# KiCad board boatcontrol.kicad_pcb (continued)
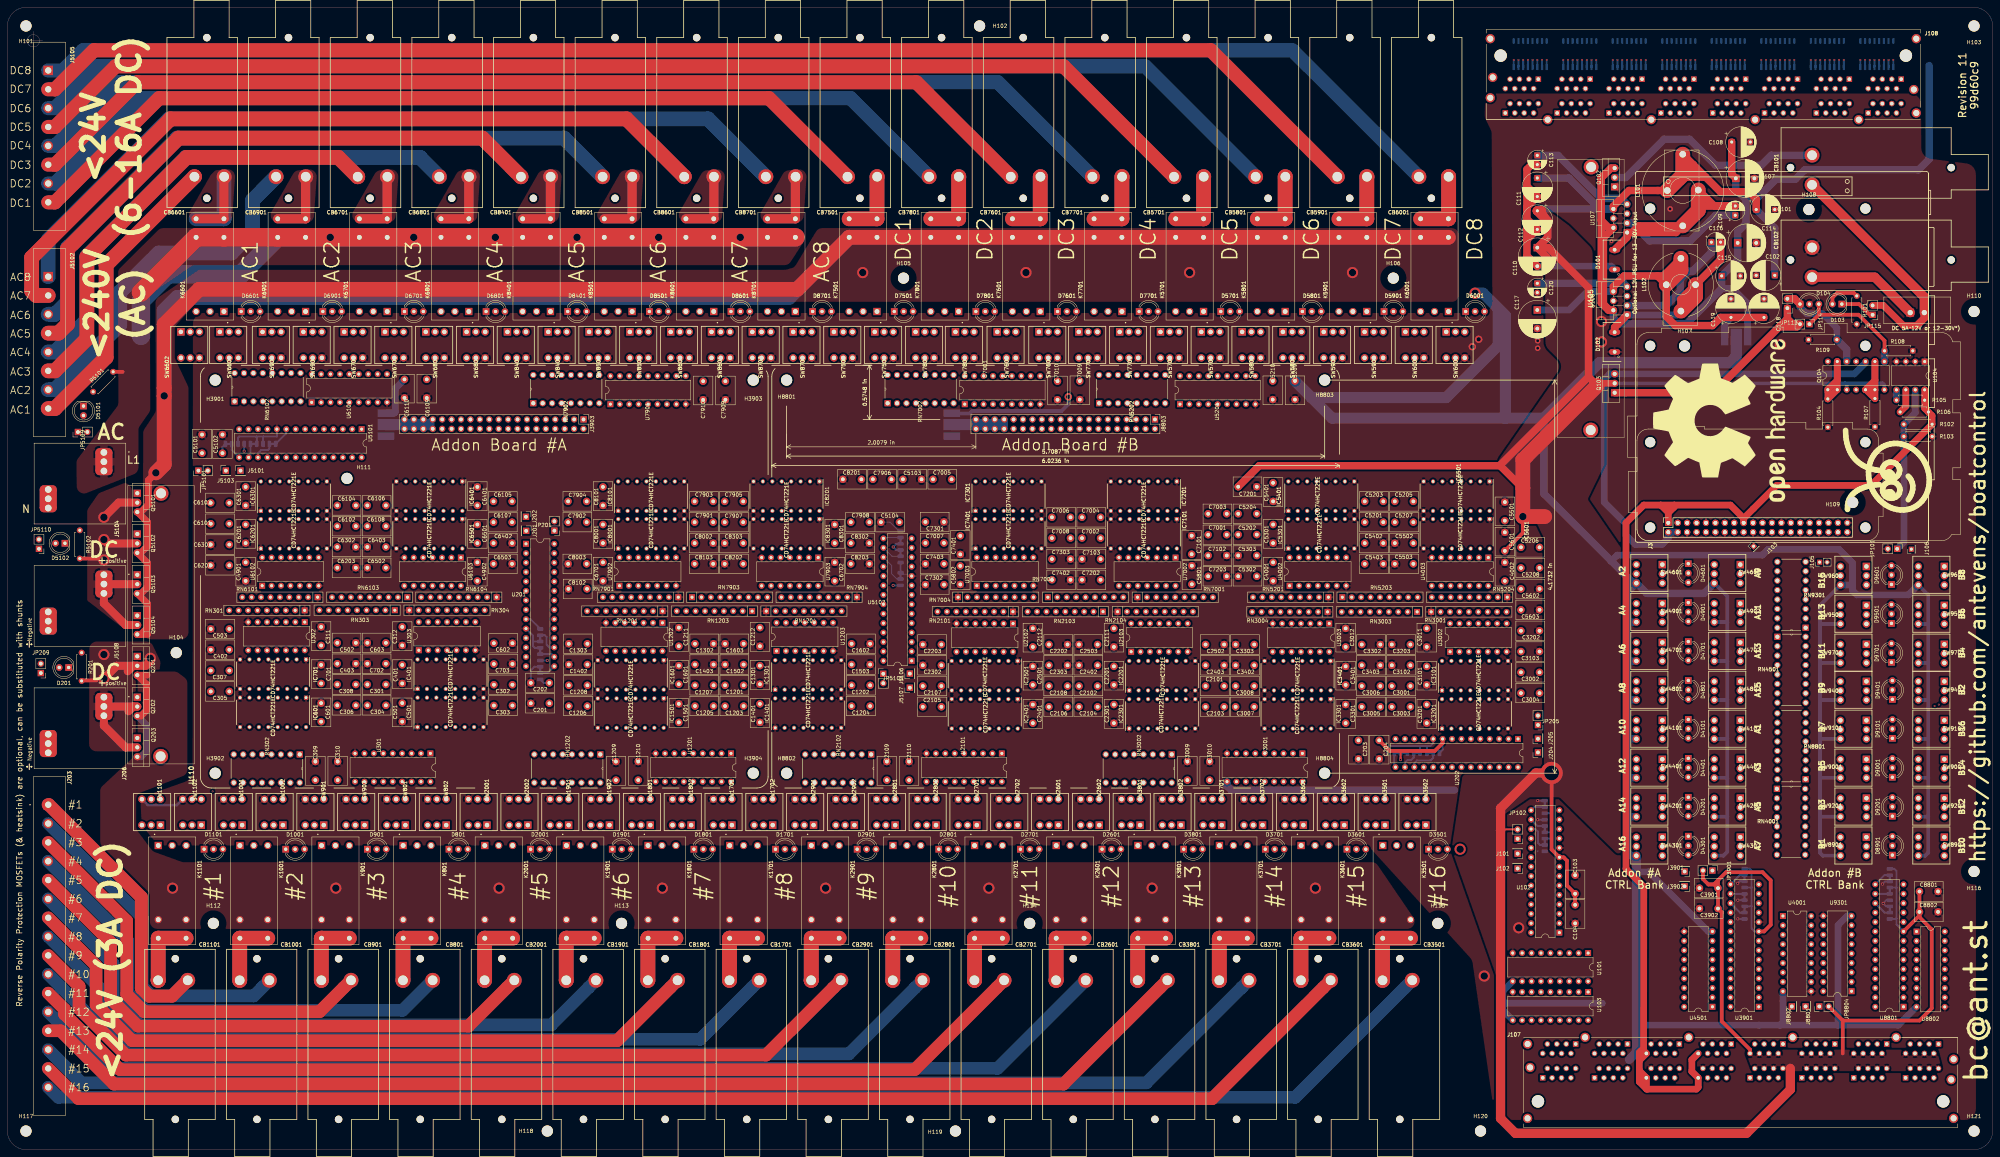
[diagram p0: board, top side]
## Routing (per net, layer and track width the routed paths; a pad name or vN(x,y) marks a point on that pad's centre or on a via; arc(x,y) is an arc through that point) (continued)
/Add-On Relay Board 2/MixedBlock1/OFF_SIGNAL_4: length 336.1
  In1.Cu w0.25: v4(315.5,198.3) 315.25,198.05 315.25,193.63 311.26,189.63 275.85,189.63 271.12,194.36
  In2.Cu w0.25: v4(315.5,198.3) 315.67,198.13 421.62,198.13 423.9,200.41 480.57,200.41 495.98,185 507.88,185 525.38,167.5 525.38,115.21 523.41,113.25 SW9102.2
  In2.Cu w1.8: J8803.31 J8803.32
/Add-On Relay Board 2/MixedBlock1/ON_SIGNAL_1: length 347.6
  In1.Cu w0.25: v8(520.5,120) 521.22,119.28 521.86,119.28 523.88,117.26 523.88,89.59 521.56,87.28 497.28,87.28 495.8,85.8 v4(495.8,82.4)
  In1.Cu w1.8: J8803.1 309.26,194.41
  In2.Cu w0.25: v8(520.5,120) 520.5,168.84 506.84,182.5 494.94,182.5 479.54,197.91 424.94,197.91 422.66,195.63 311.64,195.63 310.36,196.9 J8803.1 ; SW8901.2 500,80.75 497.45,80.75 v4(495.8,82.4)
/Add-On Relay Board 2/MixedBlock1/ON_SIGNAL_2: length 343
  In1.Cu w0.25: v4(496,96) 497.78,97.78 515.39,97.78 516.96,96.2 521.7,96.2 523.38,97.88 523.38,117.05 521.65,118.78 520.22,118.78 v8(519.38,119.62)
  In1.Cu w2: J8803.5 J8803.6
  In2.Cu w0.25: 520,121.6 520,121.3 ; 520,121.6 520,120.6 519.38,119.98 v8(519.38,119.62) ; 520,121.6 520,168.64 506.64,182 494.74,182 479.33,197.41 425.14,197.41 422.86,195.13 310.31,195.13 309.76,195.67 305.41,195.67 J8803.5 ; v4(496,96) 496,93.96 497.71,92.25 SW9201.2
/Add-On Relay Board 2/MixedBlock1/ON_SIGNAL_3: length 323.9
  In1.Cu w0.25: v4(496,107) 497.28,108.28 507.85,108.28 510.5,110.92 v4(510.5,112)
  In1.Cu w2: J8803.9 J8803.10
  In2.Cu w0.25: SW9001.2 497.71,102.75 496,104.46 v4(496,107) ; J8803.10 300.33,193.13 309.85,193.13 311.34,194.63 423.07,194.63 425.35,196.91 479.12,196.91 494.53,181.5 506.43,181.5 519.5,168.43 519.5,122.29 516.08,118.87 513.5,118.87 510.5,115.87 v4(510.5,112)
/Add-On Relay Board 2/MixedBlock1/ON_SIGNAL_4: length 310.7
  In1.Cu w2: J8803.13 J8803.14
  In2.Cu w0.25: 295.25,193.13 J8803.14 295.75,192.63 310.06,192.63 311.55,194.13 423.28,194.13 425.56,196.41 478.91,196.41 494.32,181 506.22,181 519,168.22 519,122.51 515.87,119.37 508.54,119.37 502.41,113.25 SW9101.2
/Add-On Relay Board 2/MixedBlock2/MixedControl1/DIG_OFF: length 109.3
  In2.Cu w0.25: U9301.17 493.56,49.42 493.56,76.95 492.12,78.38 492.12,127.67 493.45,129 512.25,129 SW9402.4
/Add-On Relay Board 2/MixedBlock2/MixedControl1/DIG_ON: length 86.6
  In2.Cu w0.25: U9301.18 494.06,47.38 494.06,77.16 492.62,78.59 492.62,124.87 SW9401.4
/Add-On Relay Board 2/MixedBlock2/MixedControl1/DISABLED_INDICATOR: length 32.5
  In1.Cu w0.25: SW9401.3 499.62,122.63 499.62,127.55 500.35,128.28 514.97,128.28 SW9402.3
/Add-On Relay Board 2/MixedBlock2/MixedControl1/OFF_LED: length 44.5
  In1.Cu w0.25: D9401.3 507.1,125.58 507.1,125.31 501.66,119.87 493.34,119.87 490.5,122.71 490.5,137.38 RN9301.2
/Add-On Relay Board 2/MixedBlock2/MixedControl1/OFF_TO_ON: length 31.9
  In1.Cu w0.25: SW9402.1 522,127.5 520.72,128.78 499.03,128.78 SW9401.5
/Add-On Relay Board 2/MixedBlock2/MixedControl1/ON_LED: length 41.9
  In1.Cu w0.25: D9401.1 508,120.25 507.12,119.37 493.13,119.37 490,122.5 490,136.43 485.71,140.72 RN9301.1
/Add-On Relay Board 2/MixedBlock2/MixedControl1/ON_TO_OFF: length 16.3
  In1.Cu w0.25: SW9401.1 502.25,126.25 503.78,127.78 508.72,127.78 512.75,123.75 SW9402.5
/Add-On Relay Board 2/MixedBlock2/MixedControl2/DIG_OFF: length 113.8
  In2.Cu w0.25: U9301.15 492.56,53.5 492.56,76.54 491.12,77.97 491.12,136.62 493,138.5 512.75,138.5 SW9702.4
/Add-On Relay Board 2/MixedBlock2/MixedControl2/DIG_ON: length 91.6
  In2.Cu w0.25: SW9701.4 491.62,133.87 491.62,78.18 493.06,76.75 493.06,51.46 U9301.16
/Add-On Relay Board 2/MixedBlock2/MixedControl2/DISABLED_INDICATOR: length 32.5
  In1.Cu w0.25: SW9701.3 499.62,132.63 499.62,137.55 500.35,138.28 514.97,138.28 SW9702.3
/Add-On Relay Board 2/MixedBlock2/MixedControl2/OFF_LED: length 39.5
  In1.Cu w0.25: D9701.3 503.5,132.23 503.5,131.71 501.66,129.87 493.34,129.87 491.62,131.59 491.62,141.34 RN9301.4
/Add-On Relay Board 2/MixedBlock2/MixedControl2/OFF_TO_ON: length 31.9
  In1.Cu w0.25: SW9702.1 522,137.5 520.72,138.78 499.03,138.78 SW9701.5
/Add-On Relay Board 2/MixedBlock2/MixedControl2/ON_LED: length 36.1
  In1.Cu w0.25: D9701.1 507.75,130.25 506.87,129.37 493.13,129.37 491.12,131.38 491.12,139.3 RN9301.3
/Add-On Relay Board 2/MixedBlock2/MixedControl2/ON_TO_OFF: length 17.6
  In1.Cu w0.25: SW9701.1 502.25,136.25 503.76,137.76 508.36,137.76 509.03,137.09 509.03,134.77 510.05,133.75 SW9702.5
/Add-On Relay Board 2/MixedBlock2/MixedControl3/DIG_OFF: length 118.9
  In2.Cu w0.25: SW9502.4 512.75,149 493.5,149 490.12,145.62 490.12,77.55 491.56,76.12 491.56,57.58 U9301.13
/Add-On Relay Board 2/MixedBlock2/MixedControl3/DIG_ON: length 97
  In2.Cu w0.25: SW9501.4 490.62,143.37 490.62,77.76 492.06,76.33 492.06,55.54 U9301.14
/Add-On Relay Board 2/MixedBlock2/MixedControl3/DISABLED_INDICATOR: length 32.5
  In1.Cu w0.25: SW9501.3 499.62,143.13 499.62,148.05 500.35,148.78 514.97,148.78 SW9502.3
/Add-On Relay Board 2/MixedBlock2/MixedControl3/OFF_LED: length 34.1
  In1.Cu w0.25: D9501.3 503.5,142.73 503.5,142.21 501.66,140.37 493.34,140.37 492.62,141.09 492.62,145.42 RN9301.6
/Add-On Relay Board 2/MixedBlock2/MixedControl3/OFF_TO_ON: length 31.9
  In1.Cu w0.25: SW9501.5 499.03,149.28 520.72,149.28 522,148 SW9502.1
/Add-On Relay Board 2/MixedBlock2/MixedControl3/ON_LED: length 30.7
  In1.Cu w0.25: RN9301.5 492.12,143.38 492.12,140.88 493.13,139.87 506.87,139.87 507.75,140.75 D9501.1
/Add-On Relay Board 2/MixedBlock2/MixedControl3/ON_TO_OFF: length 16.3
  In1.Cu w0.25: SW9501.1 502.25,146.75 503.78,148.28 508.28,148.28 512.3,144.25 SW9502.5
/Add-On Relay Board 2/MixedBlock2/MixedControl4/DIG_OFF: length 124.1
  In2.Cu w0.25: SW9602.4 513.04,159.21 493.16,159.21 489.12,155.17 489.12,77.14 490.56,75.71 490.56,61.66 U9301.11
/Add-On Relay Board 2/MixedBlock2/MixedControl4/DIG_ON: length 102.4
  In2.Cu w0.25: SW9601.4 489.62,152.87 489.62,77.35 491.06,75.92 491.06,59.62 U9301.12
/Add-On Relay Board 2/MixedBlock2/MixedControl4/DISABLED_INDICATOR: length 32.5
  In1.Cu w0.25: SW9602.3 514.97,159.28 500.35,159.28 499.62,158.55 499.62,153.63 SW9601.3
/Add-On Relay Board 2/MixedBlock2/MixedControl4/OFF_LED: length 29.3
  In1.Cu w0.25: D9601.3 503.5,153.23 503.5,152.71 501.66,150.87 492.25,150.87 RN9301.8
/Add-On Relay Board 2/MixedBlock2/MixedControl4/OFF_TO_ON: length 31.9
  In1.Cu w0.25: SW9601.5 499.03,159.78 520.72,159.78 522,158.5 SW9602.1
/Add-On Relay Board 2/MixedBlock2/MixedControl4/ON_LED: length 27
  In1.Cu w0.25: D9601.1 507.75,151.25 506.87,150.37 490.21,150.37 RN9301.7
/Add-On Relay Board 2/MixedBlock2/MixedControl4/ON_TO_OFF: length 16.3
  In1.Cu w0.25: SW9602.5 510.97,158.78 503.78,158.78 502.25,157.25 SW9601.1
/Add-On Relay Board 2/MixedBlock2/OFF_SIGNAL_1: length 285.9
  In1.Cu w0.25: v4(310.9,198) 310.6,197.7 310.6,193.93 309.81,193.13 307.91,193.13 306.68,194.36
  In1.Cu w2: J8803.3 J8803.4
  In2.Cu w0.25: v4(310.9,198) 311.25,198.35 313.59,198.35 314.31,197.63 421.83,197.63 424.11,199.91 480.36,199.91 495.77,184.5 507.67,184.5 524.88,167.3 524.88,125.21 523.41,123.75 SW9402.2
/Add-On Relay Board 2/MixedBlock2/OFF_SIGNAL_2: length 282.6
  In1.Cu w0.25: v4(311.5,197.55) 311.1,197.15 311.1,193.72 310.02,192.63 303.33,192.63 301.6,194.36
  In1.Cu w2: J8803.7 J8803.8
  In2.Cu w0.25: 521.82,133.75 SW9702.2 523.41,133.75 524.38,134.71 524.38,167.09 507.46,184 495.56,184 480.16,199.41 424.32,199.41 422.03,197.13 314.11,197.13 313.38,197.85 311.8,197.85 v4(311.5,197.55)
  In2.Cu w1.8: 301.64,194.41 J8803.7
/Add-On Relay Board 2/MixedBlock2/OFF_SIGNAL_3: length 273.5
  In1.Cu w0.25: 296.52,194.36 298.75,192.13 310.22,192.13 311.6,193.51 311.6,196.6 v4(312.1,197.1)
  In2.Cu w0.25: v4(312.1,197.1) 312.35,197.35 313.18,197.35 313.9,196.63 422.24,196.63 424.52,198.91 479.95,198.91 495.36,183.5 507.26,183.5 523.88,166.88 523.88,144.71 523.41,144.25 SW9502.2
  In2.Cu w1.8: J8803.11 J8803.12
/Add-On Relay Board 2/MixedBlock2/OFF_SIGNAL_4: length 266.2
  In1.Cu w0.25: v4(312.7,196.65) 312.7,193.91 310.43,191.63 294.17,191.63 291.44,194.36
  In2.Cu w0.25: SW9602.2 522.25,154.75 523.38,155.88 523.38,166.68 507.05,183 495.15,183 479.74,198.41 424.73,198.41 422.45,196.13 313.22,196.13 v4(312.7,196.65)
  In2.Cu w1.8: J8803.15 J8803.16
/Add-On Relay Board 2/MixedBlock2/ON_SIGNAL_1: length 309.8
  In1.Cu w2: J8803.17 J8803.18
  In2.Cu w0.25: J8803.18 291.17,192.13 310.27,192.13 311.76,193.63 423.59,193.63 436.71,180.5 506.01,180.5 518.5,168.01 518.5,122.71 515.66,119.87 504.88,119.87 SW9401.2
/Add-On Relay Board 2/MixedBlock2/ON_SIGNAL_2: length 309.5
  In1.Cu w2: J8803.21 J8803.22
  In2.Cu w0.25: 504.65,130.1 SW9701.2 505.25,129.5 515.29,129.5 518,132.21 518,167.81 505.81,180 436.5,180 423.38,193.13 311.96,193.13 310.47,191.63 286.59,191.63 J8803.22
/Add-On Relay Board 2/MixedBlock2/ON_SIGNAL_3: length 298.4
  In1.Cu w2: J8803.25 J8803.26
  In2.Cu w0.25: J8803.26 282.01,191.13 310.68,191.13 312.17,192.63 423.17,192.63 436.3,179.5 505.6,179.5 517.5,167.6 517.5,141.5 516.2,140.2 505.05,140.2 SW9501.2
/Add-On Relay Board 2/MixedBlock2/ON_SIGNAL_4: length 292.2
  In1.Cu w2: J8803.29 J8803.30
  In2.Cu w0.25: J8803.30 277.43,190.63 310.89,190.63 312.38,192.13 422.96,192.13 436.09,179 447.08,179 505.39,179 517,167.39 517,151.75 515.75,150.5 505.25,150.5 SW9601.2
/Add-On Relay Board 2/RST: length 44.1
  In2.Cu w0.25: U8801.18 504.55,62.72 504.55,37.94 503.94,37.32 488.48,37.32 488.3,37.5 JP8804.1
/B1: length 8.5
  In2.Cu w0.25: J108.O_1 427.54,288.65 428.19,289.3 v8(428.19,293.85)
  Bottom w0.508: v8(428.19,293.85) RN102.1
/B2: length 8.4
  In2.Cu w0.25: J108.O_3 426.92,291.56 v8(426.92,293.85)
  Bottom w0.508: v8(426.92,293.85) RN102.2
/B3: length 8.9
  In2.Cu w0.25: v8(425.65,293.85) 425.65,292.83 J108.O_5
  Bottom w0.508: v8(425.65,293.85) RN102.3
/B4: length 9.6
  In2.Cu w0.25: v8(424.38,293.85) 419.18,288.65 J108.O_7
  Bottom w0.508: v8(424.38,293.85) RN102.4
/C1: length 7.6
  In2.Cu w0.25: v8(441.53,293.85) 441.53,291.13 440.53,290.13 J108.N_1
  Bottom w0.508: v8(441.53,293.85) RN103.1
/C2: length 8.1
  In2.Cu w0.25: v8(440.26,293.85) 440.26,290.92 J108.N_3
  Bottom w0.508: v8(440.26,293.85) RN103.2
/C3: length 8.7
  In2.Cu w0.25: J108.N_5 438.99,292.19 v8(438.99,293.85)
  Bottom w0.508: v8(438.99,293.85) RN103.3
/C4: length 10
  In2.Cu w0.25: J108.N_7 434.84,290.58 436.16,290.58 437.72,292.15 v8(437.72,293.85)
  Bottom w0.508: v8(437.72,293.85) RN103.4
/D1: length 7.4
  In2.Cu w0.25: v8(454.87,293.85) 454.87,289.02 J108.M_1
  Bottom w0.508: v8(454.87,293.85) RN104.1
/D2: length 7.9
  In2.Cu w0.25: J108.M_3 453.6,290.29 v8(453.6,293.85)
  Bottom w0.508: v8(453.6,293.85) RN104.2
/D3: length 8.4
  In2.Cu w0.25: v8(452.33,293.85) 452.33,291.56 J108.M_5
  Bottom w0.508: v8(452.33,293.85) RN104.3
/D4: length 8.9
  In2.Cu w0.25: J108.M_7 451.06,292.83 v8(451.06,293.85)
  Bottom w0.508: v8(451.06,293.85) RN104.4
/E1: length 7.3
  In2.Cu w0.25: v8(468.22,293.85) 468.22,288.89 J108.L_1
  Bottom w0.508: v8(468.22,293.85) RN105.1
/E2: length 7.6
  In2.Cu w0.25: v8(466.95,293.85) 466.95,289.68 J108.L_3
  Bottom w0.508: v8(466.95,293.85) RN105.2
/E3: length 8.2
  In2.Cu w0.25: J108.L_5 465.68,290.95 v8(465.68,293.85)
  Bottom w0.508: v8(465.68,293.85) RN105.3
/E4: length 8.7
  In2.Cu w0.25: J108.L_7 464.41,292.22 v8(464.41,293.85)
  Bottom w0.508: v8(464.41,293.85) RN105.4
/F1: length 7.6
  In2.Cu w0.25: v8(481.56,293.85) 481.56,289.52 J108.K_1
  Bottom w0.508: v8(481.56,293.85) RN106.1
/F2: length 7.4
  In2.Cu w0.25: v8(480.29,293.85) 480.29,289.05 J108.K_3
  Bottom w0.508: v8(480.29,293.85) RN106.2
/F3: length 7.9
  In2.Cu w0.25: v8(479.02,293.85) 479.02,290.32 J108.K_5
  Bottom w0.508: v8(479.02,293.85) RN106.3
/F4: length 8.4
  In2.Cu w0.25: v8(477.75,293.85) 477.75,291.59 J108.K_7
  Bottom w0.508: v8(477.75,293.85) RN106.4
/G1: length 7.8
  In2.Cu w0.25: v8(494.9,293.85) 496.4,292.35 J108.J_1
  Bottom w0.508: v8(494.9,293.85) RN107.1
/G2: length 7.3
  In2.Cu w0.25: J108.J_3 493.86,293.62 v8(493.63,293.85)
  Bottom w0.508: v8(493.63,293.85) RN107.2
/G3: length 7.6
  In2.Cu w0.25: v8(492.36,293.85) 492.36,289.69 J108.J_5
  Bottom w0.508: v8(492.36,293.85) RN107.3
/G4: length 8.2
  In2.Cu w0.25: v8(491.09,293.85) 491.09,290.96 J108.J_7
  Bottom w0.508: v8(491.09,293.85) RN107.4
/H1: length 8.1
  In2.Cu w0.25: v8(508.25,293.85) 508.25,290.77 J108.I_1
  Bottom w0.508: v8(508.25,293.85) RN108.1
/H2: length 7.6
  In2.Cu w0.25: J108.I_3 506.98,289.5 v8(506.98,293.85)
  Bottom w0.508: v8(506.98,293.85) 506.98,291.85
/H3: length 7.4
  In2.Cu w0.25: v8(505.71,293.85) 505.71,289.06 J108.I_5
  Bottom w0.508: v8(505.71,293.85) RN108.3
/H4: length 7.9
  In2.Cu w0.25: J108.I_7 504.43,290.33 v8(504.43,293.85)
  Bottom w0.508: v8(504.43,293.85) RN108.4
/Mixed 12V DC / 230V AC Common Bank/12L_RAW: length 83.6
  Top w1: 34.96,152.5 Q5103.2 ; v2(26,159) 25.62,159.38 R5102.2
  Top w2.15: Q5101.2 29.96,174.46 v2(26,170.5) ; Q5102.2 27.04,163.46 v2(26,164.5) ; J5108.1_3 26,147.31 31.85,141.46 Q5104.2 ; Q5103.2 26.04,152.46
  Bottom w2: 35,174.46 35,174.46
  Bottom w2.15: v2(26,170.5) 29.96,174.46 Q5101.2 ; Q5104.2 31.85,141.46 26,147.31 J5108.1_3 ; Q5103.2 26.04,152.46
/Mixed 12V DC / 230V AC Common Bank/12V DC 6A Block/6AC1/DISABLED_INDICATOR: length 12.4
  In1.Cu w1: SW6001.3 391,222.25 383.5,222.25 SW6002.3
/Mixed 12V DC / 230V AC Common Bank/12V DC 6A Block/6AC1/OFF: length 56
  In2.Cu w0.25: SW6001.4 383.79,213.5 382.41,212.12 372.13,212.12 371.13,211.12 350.45,211.12 349.92,210.6 343.7,210.6 343.22,210.12 335.28,210.12 U5201.11
/Mixed 12V DC / 230V AC Common Bank/12V DC 6A Block/6AC1/OFF_COIL: length 81.6
  In2.Cu w0.25: SW6002.2 379.25,219.09 376.29,216.12 320.41,216.12 316.41,212.12 313.44,212.12 310.2,208.89 RN5202.10
  In2.Cu w1: K6001.8 379.25,224.4 SW6002.2
/Mixed 12V DC / 230V AC Common Bank/12V DC 6A Block/6AC1/OFF_LED: length 101
  In1.Cu w0.25: RN5202.8 314.91,204.17 346.58,204.17 353.03,210.62 372.15,210.62 374.88,213.35 374.88,221.39 377.36,223.88 395.36,223.88 396.58,225.1 397.18,225.1 D6001.3
/Mixed 12V DC / 230V AC Common Bank/12V DC 6A Block/6AC1/OFF_TO_ON: length 17.6
  In1.Cu w1: SW6002.1 376.75,218.5 378.45,216.8 386.95,216.8 SW6001.5
/Mixed 12V DC / 230V AC Common Bank/12V DC 6A Block/6AC1/ON: length 47.5
  In2.Cu w0.25: U5201.12 333.24,210.62 343,210.62 343.47,211.1 349.71,211.1 350.24,211.62 370.92,211.62 372.8,213.5 SW6002.4
/Mixed 12V DC / 230V AC Common Bank/12V DC 6A Block/6AC1/ON_COIL: length 90.4
  In2.Cu w0.25: K6001.1 388.35,224.78 382.67,219.1 379.97,219.1 376.5,215.62 320.62,215.62 316.62,211.62 314.74,211.62 RN5202.9
  In2.Cu w1: K6001.1 388.35,223.25 390.25,221.35 SW6001.2
/Mixed 12V DC / 230V AC Common Bank/12V DC 6A Block/6AC1/ON_LED: length 98.5
  In1.Cu w0.25: RN5202.7 312.87,204.67 346.37,204.67 352.82,211.12 371.94,211.12 374.38,213.56 374.38,221.6 377.15,224.38 390.23,224.38 391.85,226 D6001.1
/Mixed 12V DC / 230V AC Common Bank/12V DC 6A Block/6AC1/ON_TO_OFF: length 11.7
  In2.Cu w1: SW6002.5 379.25,214 385.75,220.5 SW6001.1
/Mixed 12V DC / 230V AC Common Bank/12V DC 6A Block/6AC1/TO_FUSE: length 37.8
  Top w2.5: 388.35,262.3 CB6001.P1
  Top w4: CB6001.P1 388.4,251.05 K6001.4 K6001.5
  Bottom w4: K6001.5 K6001.4 388.35,262.3 CB6001.P1
/Mixed 12V DC / 230V AC Common Bank/12V DC 6A Block/6AC2/DISABLED_INDICATOR: length 12.4
  In1.Cu w1: SW5901.3 369,222.25 361.5,222.25 SW5902.3
/Mixed 12V DC / 230V AC Common Bank/12V DC 6A Block/6AC2/OFF: length 39.1
  In2.Cu w0.25: U5201.13 330.7,210.62 332.02,210.62 332.5,211.1 332.6,211.1 332.62,211.12 342.79,211.12 343.26,211.6 349.51,211.6 350.03,212.12 364.37,212.12 SW5901.4
/Mixed 12V DC / 230V AC Common Bank/12V DC 6A Block/6AC2/OFF_COIL: length 66.2
  In2.Cu w0.25: RN5202.12 305.62,210.12 306.24,210.12 308.13,212.01 308.13,214.3 310.95,217.12 355.66,217.12 357.25,218.72 SW5902.2
  In2.Cu w1: K5901.8 357.25,224.4 SW5902.2
/Mixed 12V DC / 230V AC Common Bank/12V DC 6A Block/6AC2/OFF_LED: length 85.8
  In1.Cu w0.25: RN5202.6 310.83,205.17 326.99,205.17 330.06,208.25 330.06,209.18 331.28,210.4 349.83,210.4 351.05,211.62 371.73,211.62 373.88,213.77 373.88,223.8 D5901.3
/Mixed 12V DC / 230V AC Common Bank/12V DC 6A Block/6AC2/OFF_TO_ON: length 29.5
  In1.Cu w1: SW5901.5 372.5,217.75 372.5,221.34 370.34,223.5 357.66,223.5 354.75,220.59 SW5902.1
/Mixed 12V DC / 230V AC Common Bank/12V DC 6A Block/6AC2/ON: length 30.6
  In2.Cu w0.25: U5201.14 328.66,211.12 331.79,211.12 332.29,211.62 342.58,211.62 343.06,212.1 349.3,212.1 350.7,213.5 SW5902.4
/Mixed 12V DC / 230V AC Common Bank/12V DC 6A Block/6AC2/ON_COIL: length 75.3
  In2.Cu w0.25: RN5202.11 308.63,210.6 308.63,214.09 311.16,216.62 365.79,216.62 368.25,219.09 SW5901.2
  In2.Cu w1: SW5901.2 368.25,224.1 K5901.1
/Mixed 12V DC / 230V AC Common Bank/12V DC 6A Block/6AC2/ON_LED: length 87.9
  In1.Cu w0.25: D5901.1 371,224.85 373.38,222.47 373.38,213.98 371.52,212.12 350.82,212.12 349.6,210.9 329.01,210.9 328.24,210.12 318.31,210.12 317.36,209.18 317.36,208.16 314.87,205.67 308.79,205.67 RN5202.5
/Mixed 12V DC / 230V AC Common Bank/12V DC 6A Block/6AC2/ON_TO_OFF: length 11.4
  In1.Cu w1: SW5902.5 364.25,220.5 SW5901.1
/Mixed 12V DC / 230V AC Common Bank/12V DC 6A Block/6AC2/TO_FUSE: length 37.7
  Top w2.5: 366.35,262.3 CB5901.P1
  Top w4: 366.35,262.3 K5901.4 K5901.5
  Bottom w4: K5901.5 K5901.4 366.35,262.3 CB5901.P1
/Mixed 12V DC / 230V AC Common Bank/12V DC 6A Block/6AC3/DISABLED_INDICATOR: length 12.4
  In1.Cu w1: SW5801.3 347,222.25 339.5,222.25 SW5802.3
/Mixed 12V DC / 230V AC Common Bank/12V DC 6A Block/6AC3/OFF: length 22.2
  In2.Cu w0.25: SW5801.4 342.37,212.12 332.09,212.12 332.09,212.13 331.58,211.62 326.62,211.62 U5201.15
/Mixed 12V DC / 230V AC Common Bank/12V DC 6A Block/6AC3/OFF_COIL: length 49.1
  In2.Cu w0.25: SW5802.2 335.25,219.09 334.29,218.12 310.54,218.12 307.13,214.71 307.13,212.43 305.82,211.12 301.54,211.12 RN5202.14
  In2.Cu w1: K5801.8 335.25,224.4 SW5802.2
/Mixed 12V DC / 230V AC Common Bank/12V DC 6A Block/6AC3/OFF_LED: length 68.3
  In1.Cu w0.25: D5801.3 351.88,223.8 351.88,213.88 349.39,211.4 328.81,211.4 328.03,210.62 315.53,210.62 311.08,206.17 306.75,206.17 RN5202.4
/Mixed 12V DC / 230V AC Common Bank/12V DC 6A Block/6AC3/OFF_TO_ON: length 29.5
  In1.Cu w1: SW5801.5 350.5,217.75 350.5,221.34 348.34,223.5 335.66,223.5 332.75,220.59 SW5802.1
/Mixed 12V DC / 230V AC Common Bank/12V DC 6A Block/6AC3/ON: length 13.7
  In2.Cu w0.25: U5201.16 324.58,212.12 331.37,212.12 SW5802.4
/Mixed 12V DC / 230V AC Common Bank/12V DC 6A Block/6AC3/ON_COIL: length 57.7
  In2.Cu w0.25: RN5202.13 303.58,210.62 306.03,210.62 307.63,212.22 307.63,214.5 310.75,217.62 344.79,217.62 346.25,219.09 SW5801.2
  In2.Cu w1: K5801.1 346.25,224.1 SW5801.2
/Mixed 12V DC / 230V AC Common Bank/12V DC 6A Block/6AC3/ON_LED: length 70.9
  In1.Cu w0.25: D5801.1 349,224.85 351.38,222.47 351.38,214.09 349.19,211.9 328.6,211.9 327.82,211.12 312.44,211.12 310.79,209.47 310.79,208.42 309.04,206.67 304.71,206.67 RN5202.3
/Mixed 12V DC / 230V AC Common Bank/12V DC 6A Block/6AC3/ON_TO_OFF: length 11.4
  In1.Cu w1: SW5801.1 342.25,220.5 SW5802.5
/Mixed 12V DC / 230V AC Common Bank/12V DC 6A Block/6AC3/TO_FUSE: length 37.7
  Top w2.5: 344.35,262.3 CB5801.P1
  Top w4: K5801.5 K5801.4 344.35,262.3
  Bottom w4: CB5801.P1 344.35,262.3 K5801.4 K5801.5
/Mixed 12V DC / 230V AC Common Bank/12V DC 6A Block/6AC4/DISABLED_INDICATOR: length 12.4
  In1.Cu w1: SW5702.3 317.5,222.25 325,222.25 SW5701.3
/Mixed 12V DC / 230V AC Common Bank/12V DC 6A Block/6AC4/OFF: length 6.2
  In2.Cu w0.25: U5201.17 321.75,211.83 SW5701.4
/Mixed 12V DC / 230V AC Common Bank/12V DC 6A Block/6AC4/OFF_COIL: length 32.1
  In2.Cu w0.25: SW5702.2 313.25,219.25 313.12,219.12 310.12,219.12 306.13,215.13 306.13,212.84 305.41,212.12 299.08,212.12 298.08,211.12 297.2,211.12 294.96,208.89 RN5202.16
  In2.Cu w1: K5701.8 313.25,224.4 SW5702.2
/Mixed 12V DC / 230V AC Common Bank/12V DC 6A Block/6AC4/OFF_LED: length 52.1
  In1.Cu w0.25: RN5202.2 302.67,207.17 307.12,207.17 308.25,208.3 308.25,209.47 310.4,211.62 327.62,211.62 329.88,213.88 329.88,223.8 D5701.3
/Mixed 12V DC / 230V AC Common Bank/12V DC 6A Block/6AC4/OFF_TO_ON: length 29.5
  In1.Cu w1: SW5701.5 328.5,217.75 328.5,221.34 326.34,223.5 313.66,223.5 310.75,220.59 SW5702.1
/Mixed 12V DC / 230V AC Common Bank/12V DC 6A Block/6AC4/ON: length 14.6
  In2.Cu w0.25: SW5702.4 310.75,212.01 308.25,209.51 308.25,208.3 308.88,207.67 315.05,207.67 U5201.18
/Mixed 12V DC / 230V AC Common Bank/12V DC 6A Block/6AC4/ON_COIL: length 40.8
  In2.Cu w0.25: SW5701.2 324.25,219.09 323.79,218.62 310.33,218.62 306.63,214.92 306.63,212.63 305.62,211.62 299.5,211.62 RN5202.15
  In2.Cu w1: K5701.1 324.25,224.1 SW5701.2
/Mixed 12V DC / 230V AC Common Bank/12V DC 6A Block/6AC4/ON_LED: length 54.7
  In1.Cu w0.25: D5701.1 327,224.85 329.38,222.47 329.38,214.09 327.41,212.12 308.36,212.12 305.71,209.47 305.71,208.3 305.08,207.67 299.54,207.67 294.22,202.36 RN5202.1
/Mixed 12V DC / 230V AC Common Bank/12V DC 6A Block/6AC4/ON_TO_OFF: length 11.4
  In1.Cu w1: SW5701.1 320.25,220.5 SW5702.5
/Mixed 12V DC / 230V AC Common Bank/12V DC 6A Block/6AC4/TO_FUSE: length 37.7
  Top w2.5: 322.35,262.3 CB5701.P1
  Top w4: K5701.5 K5701.4 322.35,262.3
  Bottom w4: CB5701.P1 322.35,262.3 K5701.4 K5701.5
/Mixed 12V DC / 230V AC Common Bank/12V DC 6A Block/DIG_OFF_C1: length 122.7
  In1.Cu w0.25: U5102.2 v4(250.19,134.34) ; RN5201.5 344.07,147.18 342.1,147.18 341.6,146.68 335.4,146.68 332.9,144.18 v4(332.9,142.4)
  In2.Cu w0.25: RN5201.5 347.59,150.7 351.82,150.7 U4002.4 ; v4(250.19,134.34) 253.42,134.34 256.91,137.83 261.18,137.83 261.94,138.59 274.94,138.59 275.41,138.12 277.39,138.12 278.21,138.95 284.75,138.95 285.73,139.93 295.57,139.93 296.75,138.75 305.49,138.75 305.71,138.97 323.64,138.97 324.49,139.83 333.82,139.83 334.38,140.39 334.38,141.37 333.35,142.4 v4(332.9,142.4)
/Mixed 12V DC / 230V AC Common Bank/12V DC 6A Block/DIG_OFF_C2: length 125
  In1.Cu w0.25: U4002.12 349.45,158.49 349.45,151.68 347.9,150.13 344.48,150.13 RN5201.6 342.5,148.15 342.37,148.15 341.39,147.18 335.19,147.18 332.25,144.24 v4(332.25,143.65)
  In2.Cu w0.25: v4(332.25,143.65) 326.65,143.65 322.98,139.98 305.3,139.98 305.08,139.75 301.74,139.75 299.07,142.43 296.77,142.43 295.27,140.93 279.27,140.93 277.83,142.37 275.03,142.37 272.75,140.09 254.55,140.09 252.27,142.37 246.73,142.37 244.58,140.22 244.57,140.22 243.77,139.42 U5102.4
/Mixed 12V DC / 230V AC Common Bank/12V DC 6A Block/DIG_OFF_C3: length 199
  In1.Cu w0.25: U4003.4 392.75,158.38 392.75,150.2 RN5204.6
  In2.Cu w0.25: 382.91,147.27 279.67,147.27 278.67,146.27 249.58,146.27 247.81,144.5 U5102.6 ; 382.91,147.27 345.27,147.27 ; 382.91,147.27 383.41,147.77 390.32,147.77 RN5204.6
/Mixed 12V DC / 230V AC Common Bank/12V DC 6A Block/DIG_OFF_C4: length 163.4
  In1.Cu w0.25: RN5204.5 394.04,152.01 U4003.12 ; v4(283.72,146.57) 282.84,146.57 281.67,147.74 281.67,149.96 281.25,150.37 279.35,150.37 278.67,149.7 278.67,148.84 277.31,147.48 273.84,147.48 272.59,146.23 253.17,146.23 251.9,147.5 v4(251.9,148.45)
  In2.Cu w0.25: RN5204.5 394.04,147.82 393.5,147.27 383.62,147.27 383.12,146.77 284.82,146.77 ; U5102.8 244.5,150.38 245.51,150.38 246.26,149.63 250.72,149.63 v4(251.9,148.45) ; v4(283.72,146.57) 283.92,146.77 284.82,146.77 ; 284.82,146.77 284.2,146.77
/Mixed 12V DC / 230V AC Common Bank/12V DC 6A Block/DIG_ON_C1: length 157
  In1.Cu w0.25: v4(323.66,111.99) 326.55,111.99 329.4,114.84 329.4,126.3 326.05,129.65 326.05,141.88 329.49,145.31 v4(329.49,148.41)
  In2.Cu w0.25: v4(323.66,111.99) 252.08,111.99 244.95,119.11 244.95,131.6 244.75,131.8 U5102.1 ; U4002.1 345.55,151 344.85,150.3 337.03,150.3 RN5201.9 330.02,148.95 v4(329.49,148.41)
/Mixed 12V DC / 230V AC Common Bank/12V DC 6A Block/DIG_ON_C2: length 134.2
  In1.Cu w0.25: U4002.9 358.25,155.05 357.35,154.15 355.55,154.15 354.45,153.05 354.45,149.94 RN5201.2 351.19,146.68 342.31,146.68 341.81,146.18 337.44,146.18 336.64,145.37 336.64,144.39 v4(333.28,141.03)
  In2.Cu w0.25: v4(333.28,141.03) 324.97,141.03 323.42,139.48 305.51,139.48 305.28,139.25 301.54,139.25 298.86,141.93 296.98,141.93 295.48,140.43 285.52,140.43 284.54,139.45 277.99,139.45 277.17,138.62 275.62,138.62 275.15,139.09 254.13,139.09 251.85,141.37 247.15,141.37 245.38,139.6 245.38,138.56 U5102.3
/Mixed 12V DC / 230V AC Common Bank/12V DC 6A Block/DIG_ON_C3: length 184.4
  In1.Cu w0.25: v4(290.35,143.2) 291.45,144.3 291.45,145.52 292.16,146.23 320.35,146.23 321.42,145.15 v4(324.25,145.15) ; v4(357.7,145.76) 357.28,146.18 342.52,146.18 341.9,145.56 341.9,143.93 341.42,143.45 340.35,143.45 339.19,142.29 339.19,140.66 338.69,140.16 336.26,140.16 v4(335.11,141.31)
  In2.Cu w0.25: v4(290.35,143.2) 288.79,143.2 288.36,143.63 285.35,143.63 285.1,143.37 245.11,143.37 U5102.5 ; RN5204.2 401.66,152.54 399.1,155.1 ; U4003.1 399.1,155.1 ; 399.1,155.1 397.7,155.1 395.3,152.7 395.3,148.15 393.92,146.77 383.83,146.77 383.33,146.27 358.21,146.27 v4(357.7,145.76) ; v4(335.11,141.31) 335.11,142.63 332.59,145.15 v4(324.25,145.15)